# Altium PCB jlc.PcbDoc (part 2 of 2) (continued)
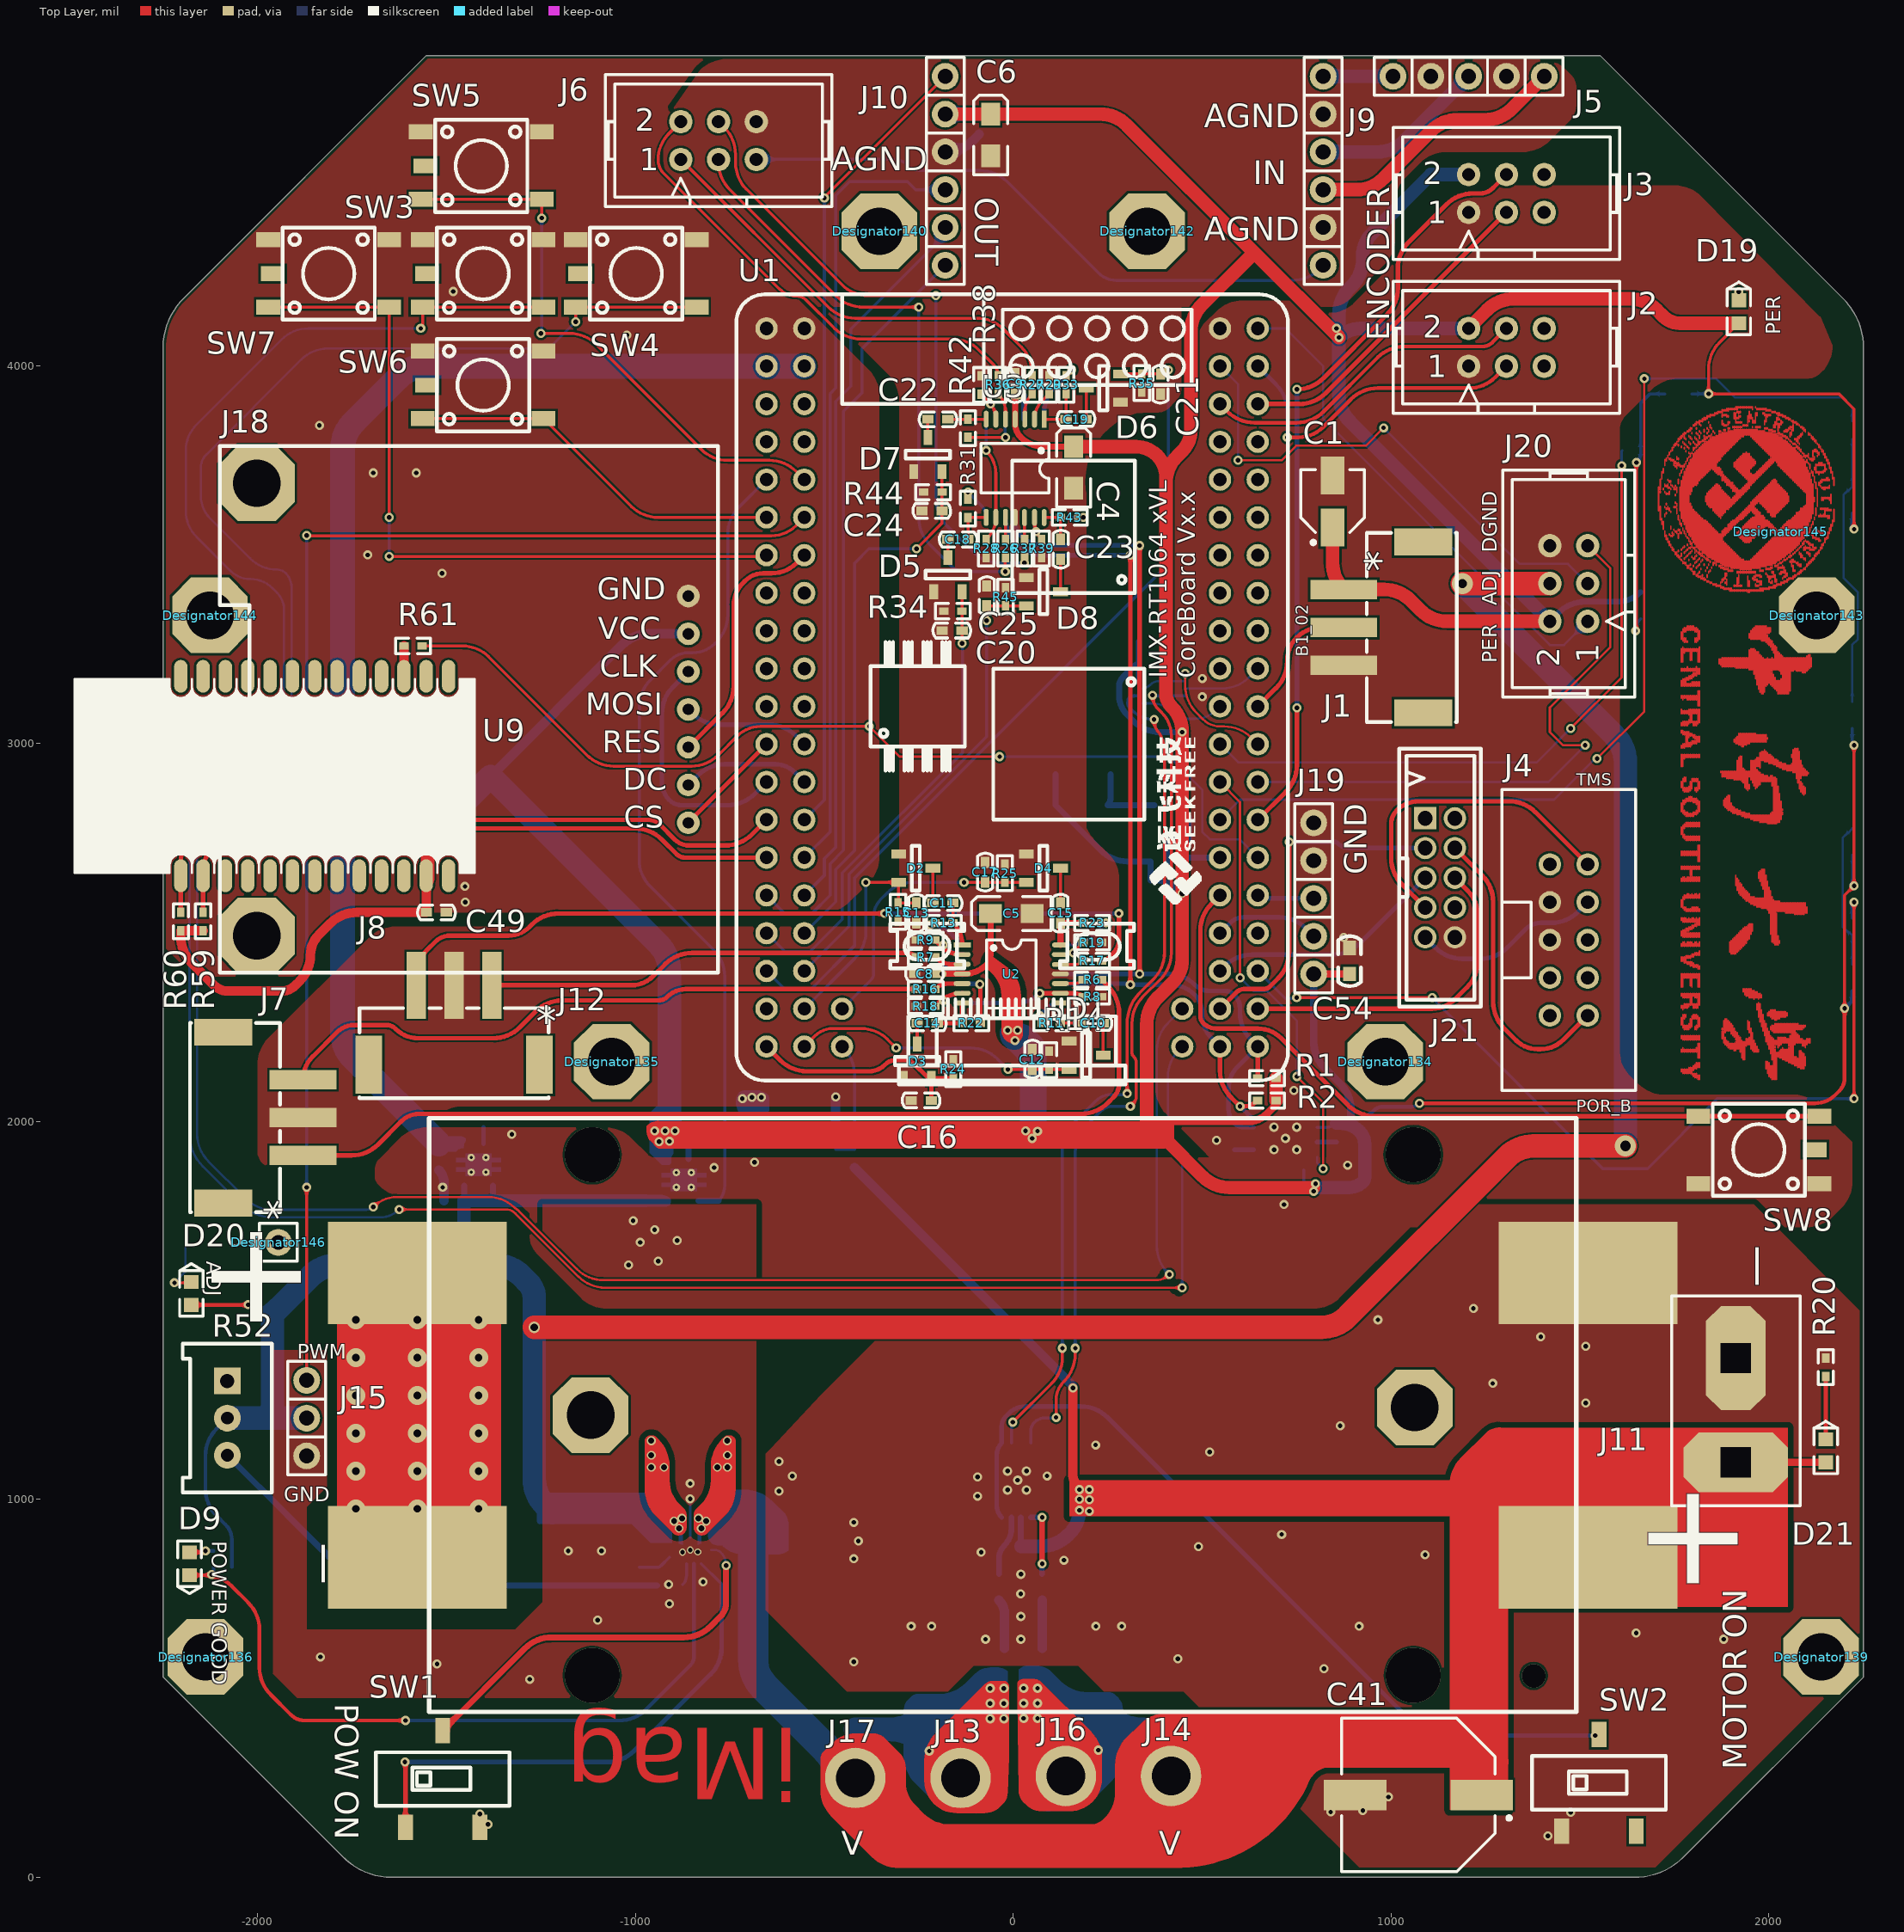
[diagram p0: Top Layer view]
## Nets (pads, with @x,y where several pads share a name; then routed paths per layer and width w, separated by ;. In a path a pad name is that pad's centre, name@x,y a point inside that pad or via, vN(x,y) a via of type N, cw(c..) or ccw(c..) an arc to the next point about the centre after c; other vN are vias at no path point) (continued)
R: U7.3 U8.4 | length 2283.2
  Top Layer w8: v2(113.27,1216.69) 113.27,1262.15 cw(c183.58,1262.15) 133.86,1311.87 134.42,1312.43 ccw(c63.71,1383.14) 163.71,1383.14 163.71,1400 v2(164,1400) ; v2(309.81,2040) 318.06,2048.26 ccw(c301.32,2065) 325,2065 325,2157.81 ccw(c307.93,2157.81) 320,2169.88 cw(c342.43,2192.31) 315.54,2175.49 cw(c322.34,2179.7) 314.34,2179.7 314.34,2201.81 314.34,2259.92 cw(c414.34,2259.92) 343.63,2330.63 389.8,2376.8 ccw(c321.73,2444.87) 417.99,2444.87 417.99,3021.18 ccw(c333.42,3021.18) 393.22,3080.99 383.65,3090.56 ; v9(368.32,3127.57) ccw(c420.66,3127.57) 383.63,3090.58
  Bottom Layer w8: U8.4@46.32,1148.99 46.32,1180.45 cw(c79.39,1180.45) 56.01,1203.83 cw(c83.92,1175.92) 83.92,1215.39 v2@112.73,1215.39 ; v2(164,1400) 164,1918.29 cw(c264,1918.29) 193.29,1989 231.07,2026.78 ; 231.09,2026.8 cw(c262.99,1994.85) 262.99,2040 v2@306.66,2040 ; v9@362.38,3131.73 ccw(c377.1,3146.44) 377.1,3125.63 U7.3@455,3125.63
RES: J18.5 U1.14 | length 672.4
  Top Layer w12: J18.5@-860,2990 -769.29,3080.71 ccw(c-840,3151.42) -740,3151.42 -740,3365 cw(c-655.5,3365) -715.25,3424.75 -710,3430 cw(c-661.72,3381.72) -661.72,3450 -640,3450 ccw(c-640,3544.19) -573.4,3477.59 U1.14@-552.99,3497.99
SD_B0_00: U1.15
SD_B0_01: U1.16
SD_B0_02: U1.17
SD_B0_03: U1.18
SD_B0_04: U1.19
SD_B0_05: U1.20
SD_B1_02: J15.1 U1.12 | length 3570.1
  Top Layer w8: J15.1@-1870,1315 v2(-1870,1825.43) ; v2(-1870,3550) ccw(c-1868.31,3551.69) -1868.31,3549.3 -640,3549.3 ccw(c-640,3641.8) -574.59,3576.39 U1.12@-552.99,3597.99
  Bottom Layer w8: v2(-1870,1825.43) v2(-1870,3550) v2@-1870,3551.69
SW2: SW2.2 U8.1 U8.8 | length 2197.7
  Bottom Layer w12: U8.8@-30.68,952.14 cw(c1.47,984.28) -43.99,984.28 -43.99,1116.84 cw(c1.47,1116.84) U8.1@-30.68,1148.99 -30.68,1193.67 cw(c5.29,1193.67) -20.14,1219.1 -11.12,1228.12 cw(c32.09,1184.92) 32.09,1246.02 178.83,1246.02 cw(c178.83,1146.02) 249.54,1216.73 1061.98,404.29 ccw(c1132.69,475) 1132.69,375 v2(1540,375)
SW5: SW5.1 U1.10 | length 1519.4
  Top Layer w8: SW5.1@-1567.99,4439.41 SW5.1@-1247.99,4439.41 v2(-1247.99,4390) ; v2(-1250,4085) -1174.22,4085 cw(c-1174.22,3985) -1103.51,4055.71 -826.09,3778.29 ccw(c-755.38,3849) -755.38,3749 -645.42,3749 cw(c-645.42,3649) -574.71,3719.71 U1.10@-552.99,3697.99
  Bottom Layer w8: v2(-1250,4085) ccw(c-1254.85,4089.85) -1247.99,4089.85 v2(-1247.99,4390)
SW6: SW6.1 U1.11 | length 1014
  Top Layer w8: SW6.1@-1562.99,3859.41 SW6.1@-1242.99,3859.41 -1010.86,3627.28 ccw(c-940.15,3697.99) -940.15,3597.99 U1.11@-652.99,3597.99
SW7: SW7.1 U1.13 | length 1979.9
  Top Layer w8: SW7.1@-1971.77,4154.41 SW7.1@-1651.77,4154.41 v2(-1651.77,3597.99) ; v2(-1651.77,3495) -660.22,3495 ccw(c-660.22,3505.22) U1.13@-652.99,3497.99
  Bottom Layer w8: v2(-1651.77,3495) ccw(c-1656.05,3499.28) -1650,3499.28 -1650,3500 cw(c-1645.72,3504.28) -1651.77,3504.28 v2(-1651.77,3597.99)
TCK: J4.4 J21.9 | length 500.4
  Bottom Layer w12: J21.9@1090,2487 1117.71,2459.29 ccw(c1188.42,2530) 1188.42,2430 1236.08,2430 ccw(c1236.08,2530) 1306.79,2459.29 1356.23,2508.73 cw(c1395.9,2469.06) 1395.9,2525.16 1423.74,2525.16 ccw(c1423.74,2625.16) 1494.45,2554.45 J4.4@1520,2580
TMS: J4.2 J21.7 | length 870.5
  Top Layer w12: J21.7@1090,2565.74 1029.29,2626.45 cw(c1100,2697.16) 1000,2697.16 1000,2786.79 cw(c1051.21,2786.79) 1015,2823 cw(c1072.94,2765.06) 1072.94,2847 1311.58,2847 cw(c1311.58,2747) 1382.29,2817.71 J4.2@1520,2680
Vadj: C28.2 C29.2 C30.2 C31.2 C34.1 C36.2 C43.1 C44.2 D20.A J15.2 J20.4 R48.2 R50.1 R52.2 U4.7 U4.8 U5.5 U5.8 U6.8 | length 8219
  Top Layer w10: D20.A@-2175,1514.37 -2026.52,1514.37 ccw(c-2026.52,1516.52) v2(-2025,1515)
  Top Layer w62: v12(-1267.61,1455) 814.39,1455 ccw(c814.39,1555) 885.1,1484.29 1306.52,1905.71 cw(c1377.23,1835) 1377.23,1935 v11(1620,1935) ; v10(1188.42,3423) J20.4@1420,3423
  Bottom Layer w10: R52.2@-2080,1215 -2108.51,1186.49 ccw(c-2037.8,1115.78) -2137.8,1115.78 -2137.8,1027.59 ccw(c-2037.8,1027.59) -2108.51,956.88 -2084.4,932.78 cw(c-2124.05,893.13) -2067.98,893.13 R50.1@-2067.98,863.68 R48.2@-2067.98,820.99 ; v2(-2025,1515) -2021.02,1515 cw(c-2021.02,1429.64) C43.1@-1960.67,1490
  Bottom Layer w16: C36.2@-1453.39,1790 U5.8@-1453.39,1829.88 ; -1376.61,1790 U5.5@-1376.61,1829.88
  Bottom Layer w35: -1449.45,1620 cw(c-1439.94,1629.51) -1453.39,1629.51 C36.2@-1453.39,1790 -1376.61,1790 C34.1@-972.5,1790
  Bottom Layer w62: R52.2@-2080,1215 -1975,1215 ; J15.2@-1870,1215 -1975,1215 ; C30.2@-1220,965 -1238.32,983.32 cw(c-1167.61,1054.03) -1267.61,1054.03 v12(-1267.61,1455) -1267.61,1533.01 ccw(c-1326.99,1533.01) -1285,1575 -1300.71,1590.71 ccw(c-1371.42,1520) -1371.42,1620 -1449.45,1620 -1788.58,1620 ccw(c-1788.58,1520) -1859.29,1590.71 -1945.71,1504.29 -1946.38,1504.29 C43.1@-1960.67,1490 -1960.67,1249.6 cw(c-2009.6,1249.6) -1975,1215 ; v10(1188.42,3423) 1590.71,3020.71 cw(c1520,2950) 1620,2950 v11(1620,1935)
Vbat: C26.1 C27.1 C41.1 C45.1 C46.2 D21.A J11.1 J12.1 J14.1 J17.1 R3.2 R46.2 U4.12 U4.13 U8.6 | length 2373.8
  Top Layer w20: J11.1@1912.01,1097.99 D21.A@2150,1097.99
  Top Layer w25: v2(157.95,1295) 157.95,1061.96 ccw(c186.41,1061.96) 166.28,1041.83
  Bottom Layer w16: C46.2@20.32,875.63 U8.6@20.32,952.14
  Bottom Layer w25: R3.2@-420,1877.78 v2@154.53,1303.25 ; v2@154.53,1303.25 cw(c146.28,1295) v2(157.95,1295)
  Bottom Layer w36: C46.2@20.32,875.63 73.3,875.63 ccw(c73.3,975.63) 144.01,904.92 149.96,910.87 ccw(c89.51,971.32) v1(175,971.32) C45.1@175,1006.1
  Bottom Layer w80: C27.1@-688.31,895.67 -688.31,574.73 ccw(c-588.31,574.73) -659.02,504.02 J17.1@-417.99,262.99
  other v1: 201.41,968.75 201.41,999.31 175,1000 175,1025.81 201.41,1025.81
Vcore: C33.1 U1.3 U1.4 U5.1 | length 3268.3
  Bottom Layer w66: C33.1@-1520,1940.12 -1745.71,2165.83 cw(c-1675,2236.54) -1775,2236.54 -1775,3778.58 cw(c-1675,3778.58) -1745.71,3849.29 -1626.3,3968.7 cw(c-1555.59,3897.99) -1555.59,3997.99 U1.3@-652.99,3997.99 U1.4@-552.99,3997.99
Vper: Beep1.1 C1.1 C2.1 C3.1 C4.1 C5.1 C6.1 C7.2 C8.2 C9.2 C35.1 C39.2 C40.2 C48.1 C49.2 C51.2 C52.2 C54.2 C55.1 C56.2 C57.2 C58.2 D12.A D13.A D14.A D15.A D16.A D17.A D18.2 D19.A J1.1 J2.2 J3.2 J10.5 J18.2 J19.5 J20.2 R1.1 R2.1 R59.2 R60.2 R65.2 U2.4 U3.4 U6.1 U7.8 U9.12 U10.8 U10.13 U11.11 U11.12 U12.12 | length 17997.3
  Top Layer w8: D19.A@1920,4111.8 1869.29,4061.09 ccw(c1940,3990.38) 1840,3990.38 v2(1840,3925) 2185,3925 2225,3885 v2(2225,3567) ; v2(2200,2299) 2200,2598 v2(2225,2623) v2(2225,2995)
  Top Layer w10: v2(1075,2048) 2122.18,2048 ccw(c2122.18,2123.11) 2175.29,2070 2185.65,2080.36 ccw(c2151.01,2115) 2200,2115 v2(2200,2299)
  Top Layer w16: C8.2@-207.95,2390.23 v1(-189.45,2390.23) U2.4@-135.16,2390.23 -130.39,2390.23 ccw(c-130.39,2474.8) -70.59,2415 ccw(c-96.16,2440.57) -60,2440.57 C5.1@-60,2550 ; C9.2@5,3925 U3.4@5,3857.84 5,3846.21 ccw(c56.21,3846.21) 20,3810 ccw(c80.36,3870.36) 80.36,3785 C4.1@160,3785
  Top Layer w20: 353.22,1992.6 cw(c390.98,1900) 390.98,2000 622.98,2000 ccw(c622.98,2068.29) 671.26,2020 687.39,2036.13 ccw(c668.52,2055) R2.1@695.21,2055 ; J19.5@795,2390 C54.2@890,2390
  Top Layer w25: R59.2@-2144.06,2504.79 R60.2@-2203.11,2504.79 -2203.11,2489.53 ccw(c-2103.11,2489.53) -2173.82,2418.82 -2115,2360 ccw(c-2078.79,2396.21) -2078.79,2345 -1936.21,2345 ccw(c-1936.21,2396.21) -1900.01,2359.99 -1888.28,2371.72 ccw(c-1956.57,2440) -1860,2440 cw(c-1783.98,2440) -1837.73,2493.75 -1807.78,2523.7 cw(c-1737.07,2452.99) -1737.07,2552.99 C49.2@-1553.39,2552.99 U9.12@-1553.39,2635
  Top Layer w35: 405.2,1950.07 500.98,1854.29 ccw(c571.69,1925) 571.69,1825 v1@795,1825
  Top Layer w36: U9.12@-1553.39,2635 ccw(c-1561.56,2643.17) -1550,2643.17 v2@-1550,2740 ; J10.5@-180,4665 C6.1@-60,4665 229.64,4665 cw(c229.64,4565) 300.35,4635.71 641.52,4294.54 ; C4.1@160,3785 324.69,3785 cw(c324.69,3706.78) 380,3762.09 cw(c322.01,3704.1) 404.02,3704.1 404.02,3689.02 ; 353.22,1970.71 353.22,1992.6 353.22,2257.09 cw(c453.22,2257.09) 382.51,2327.8 422.12,2367.42 ccw(c362.05,2427.5) 447.01,2427.5 v13@447.01,2599 ; v13(447.01,2603.31) v2@447.01,3025 ; v2(447.01,3030) ccw(c352.91,3030) 419.45,3096.54 417.99,3097.99 cw(c451.73,3131.73) 404.02,3131.73 404.02,3689.02 ; R2.1@695.21,2055 R1.1@695.21,2114.45 ; C1.1@845,3571 845,3478.11 ccw(c945,3478.11) 874.29,3407.4 981.18,3407.4 cw(c981.18,3307.4) 1051.89,3378.11 1077.71,3352.29 ccw(c1148.42,3423) 1148.42,3323 J20.2@1420,3323 ; v2(861.77,4073.99) 861.77,4074.29 641.52,4294.54 ; J2.2@1205,4097.99 1253.93,4146.92 cw(c1324.64,4076.21) 1324.64,4176.21 1632.37,4176.21 cw(c1632.37,4076.21) 1703.08,4146.92 1720,4130 ccw(c1763.94,4173.94) 1763.94,4111.8 D19.A@1920,4111.8 ; 404.02,3689.02 cw(c504.02,3689.02) 433.31,3759.73 447.01,3773.42 ccw(c391.5,3828.93) 470,3828.93 470,4089.85 cw(c570,4089.85) 499.29,4160.56 627.42,4288.7 cw(c641.52,4274.6) 641.52,4294.54
  Bottom Layer w6: D13.A@2220,2704.57 2220,2632.87 2225,2627.87 v2(2225,2623)
  Bottom Layer w8: C51.2@769.21,1825 U10.13@769.21,1871.13 ; U10.8@803.87,1984.53 829.72,1984.53 ccw(c829.72,2020.28) C52.2@855,1995 ; D15.A@1795.43,3925 v2(1840,3925) ; D16.A@2220,3039.57 2220,3007.07 ccw(c2237.07,3007.07) v2(2225,2995) ; D17.A@2220,3609.57 2220,3576.33 2225,3571.33 v2(2225,3567)
  Bottom Layer w10: 893.63,2004.21 ccw(c893.63,2090.99) 954.99,2029.63 cw(c977.29,2007.32) 977.29,2038.87 1052.95,2038.87 ccw(c1052.95,2070.05) v2(1075,2048) ; v2(2200,2299) 2220,2319 D12.A@2220,2344.57
  Bottom Layer w15: J20.2@1420,3323 1442.71,3345.71 cw(c1513.42,3275) 1513.42,3375 1598.61,3375 ccw(c1598.61,3461.82) D14.A@1660,3400.43
  Bottom Layer w16: v1(-189.45,2390.23) -189.45,2401.38 ccw(c-208.39,2401.38) C57.2@-194.96,2414.73 ; U11.12@-135.16,2414.77 C57.2@-195,2414.77 cw(c-208.39,2401.38) C57.2@-194.96,2414.73 ; U11.11@-134.84,2390 -135.2,2390 cw(c-135.2,2474.58) C57.2@-194.96,2414.73 ; U12.12@29.18,3858.15 C58.2@29.18,3920 ; D18.2@111.6,2917.99 Beep1.1@111.6,2836.74 231.07,2717.28 ccw(c301.78,2787.99) 301.78,2687.99 R65.2@362.81,2687.99 C56.2@362.81,2637.99 370.9,2637.99 cw(c370.9,2537.99) 441.61,2608.7 v13(447.01,2603.31) ; U7.8@332.95,3165 C40.2@332.95,3210 ; C39.2@332.95,3270 C40.2@332.95,3210 ; v2(447.01,3030) 388.2,3030 cw(c388.2,3130) 317.49,3059.29 301.78,3075 cw(c354.35,3127.57) 280,3127.57 280,3150.86 cw(c314.14,3150.86) 290,3175 319.38,3204.38 cw(c332.95,3190.8) C40.2@332.95,3210
  Bottom Layer w20: J19.5@795,2390 795,2211.42 ccw(c895,2211.42) 824.29,2140.71 864.34,2100.66 cw(c793.63,2029.95) 893.63,2029.95 893.63,2004.21 893.63,1989.29
  Bottom Layer w25: C48.1@-1382.99,2912.99 -1035.27,3260.71 cw(c-964.56,3190) -964.56,3290 J18.2@-860,3290
  Bottom Layer w35: C51.2@769.21,1825 888.79,1825 ccw(c888.79,1876.21) 925,1840 ccw(c912.93,1852.07) 930,1852.07 930,1940.36 ccw(c882.17,1940.36) 915.99,1974.18 ccw(c865.72,1923.91) 893.63,1989.29 ccw(c865.72,1923.91) 865.72,1995 C52.2@855,1995
  Bottom Layer w36: J10.5@-180,4665 C7.2@-90,4665 ; J2.2@1205,4097.99 C3.1@1105,4097.99 919.73,4097.99 ccw(c919.73,4016.03) v2(861.77,4073.99) ; J3.2@1205,4505 C2.1@1105,4505 949.75,4349.75 ccw(c1009.5,4290) 925,4290 925,4281.42 cw(c825,4281.42) 895.71,4210.71 891.06,4206.06 ccw(c961.77,4135.35) 861.77,4135.35 v2(861.77,4073.99) ; J20.2@1420,3323 891.06,3851.94 cw(c961.77,3922.65) 861.77,3922.65 v2(861.77,4073.99)
  Bottom Layer w62: v2@-1550,2740 cw(c-1535.55,2740) -1545.77,2750.22 C48.1@-1382.99,2912.99 -939.41,2469.41 cw(c-1010.12,2398.7) -910.12,2398.7 C35.1@-910.12,2005
  other v1: 795,1815 800,1835 -937.47,1946.81 -910,1947.22 50,1955 64.1,1974.18 -949.13,1975 -921.1,1975 -895,1975 32.5,1975 4.36,2214.16 -15,2241.26 11.23,2241.26 -1550,2720 18,3922.84 855,4097.99
  other v2: -1548.39,2746.72
pads on no net: Beep1.3 Designator134.0 Designator135.0 Designator136.0 Designator139.0 Designator140.0 Designator142.0 Designator143.0 Designator144.0 J1.4 J1.5 J2.5 J2.6 J3.5 J3.6 J4.1 J4.6 J4.7 J4.8 J4.9 J7.4 J7.5 J8.4 J8.5 J12.0 J18.0 J21.1 J21.2 J21.8 R52.1 SW2.3 SW3.5 SW4.5 SW5.5 SW6.5 SW7.5 SW8.5 U1.5 U1.6 U1.7 U1.8 U1.21 U1.22 U9.3 U9.4 U9.5 U9.6 U9.7 U9.8 U9.9 U9.10 U9.11 U9.13 U9.22 U9.23 U9.25 U9.26 U9.27 U9.28 U9.29 U9.30 U9.31 U9.32 U9.33 U9.34 U10.2 U10.3 U10.4 U10.5 U10.6 U10.7 U10.11 U10.14 U10.15 U10.16 U10.17 U10.19 U10.21 U10.22
copper on no net:
  other v6: -1114.61,534.02 1058.62,534.02 -1114.61,1911.97 1058.62,1911.97
  other v8: 1377.01,532.99

## Polygon pours and split planes (outlines as drawn)
DGND on Bottom Layer "NONET_L01_P-001" (solid, remove dead copper, pour order 10): -1865.59,3470 -1865.59,3802.99 cw(c-1765.59,3802.99) -1836.3,3873.7 -1514.29,4195.71 cw(c-1443.58,4125) -1443.58,4225 793.58,4225 ccw(c793.58,4325) 864.29,4254.29 1060.71,4450.71 cw(c1131.42,4380) 1131.42,4480 1203.58,4480 cw(c1203.58,4380) 1274.29,4450.71 1590.71,4134.29 cw(c1520,4063.58) 1620,4063.58 1620,2078.94 cw(c1520,2078.94) 1590.71,2008.23 1331.77,1749.29 cw(c1261.06,1820) 1261.06,1720 -808.1,1720 ccw(c-808.1,1696.13) -824.98,1713.01 -863.44,1751.47 cw(c-809.91,1805) -885.61,1805 -1551.18,1805 cw(c-1551.18,1905) -1621.89,1834.29 -1840.71,2053.11 cw(c-1770,2123.82) -1870,2123.82 -1870,2165.83
PGND on Bottom Layer "NONET_L01_P-001" (solid, remove dead copper, pour order 8): -2084.4,1800.6 -861.24,1800.6 -873.75,1552.1 -872.1,1546.85 -797.32,1450.14 -791.85,1447.1 -791.83,1447.1 -646.5,1432.28 -648.92,599.28 -1188.2,60 -1440,60 -2240,860 -2240,1645
BGND on Bottom Layer "NONET_L01_P-001" (solid, remove dead copper, pour order 6): 2020,1540 760,1540 500,1280 -502.66,1280 -655,1127.66 -655,706.77 -440.02,491.79 -173.21,491.79 -105,560 171.42,560 239.64,491.79 449.77,491.79 915,26.55 1698.62,26.55 1698.62,33.62 2025,360
PGND on Bottom Layer "NONET_L01_P-001" (solid, remove dead copper, pour order 0): -1252.86,907.66 -1261.19,856.3 ccw(c-1116.06,856.3) -1218.68,753.68 -1184.29,719.29 ccw(c-1113.58,790) -1113.58,690 -807.91,690 ccw(c-807.91,736.09) -775.32,703.5 -768.82,710 cw(c-752.73,726.09) -775.48,726.09 -775.48,877.99 -695.62,957.86 ccw(c-755.27,1017.51) -670.91,1017.51 -670.91,1175.31 ccw(c-770.91,1175.31) -700.2,1246.02 -709.18,1255 ccw(c-733.32,1230.86) -733.32,1265 -937.81,1265 ccw(c-937.82,1212.42) -975,1249.6 -989.31,1235.29 ccw(c-954.02,1200) -1003.93,1200 -1003.93,989.61 -1031.7,961.83 cw(c-1102.41,1032.53) -1102.42,932.54
DGND on Bottom Layer "NONET_L01_P-001" (solid, remove dead copper, pour order 13): 1616.16,3900 1616.16,3922.89 cw(c1716.16,3922.89) 1645.45,3993.6 1646.46,3994.61 cw(c1699.65,3941.43) 1699.65,4016.64 1889.54,4016.64 ccw(c1889.54,4116.64) 1960.25,4045.93 1980.71,4066.4 ccw(c1910,4137.11) 2010,4137.11 2010,4185 ccw(c1949.64,4185) 1992.32,4227.68 1776.9,4443.1 ccw(c1706.19,4372.39) 1706.19,4472.39 1241.85,4472.39
DGND on Top Layer "NONET_L01_P-001" (solid, remove dead copper, pour order 14): -1624.33,1954.19 cw(c-1553.62,1883.48) -1553.62,1983.48 -1080.33,1983.48 cw(c-1080.33,1883.48) -1009.61,1954.19 -967.39,1911.97 ccw(c-949.8,1929.55) -949.8,1904.68 831.92,1904.68 cw(c831.92,1804.68) 902.63,1875.4 1054.18,1723.84 864.63,1534.29 cw(c793.92,1605) 793.92,1505 -1074.94,1505 cw(c-1074.94,1605) -1145.65,1534.29 -1256.36,1645 cw(c-1199.28,1702.08) -1280,1702.08 -1280,1756.29 -1294.42,1770.71 ccw(c-1365.13,1700) -1365.13,1800 -1605.74,1800 cw(c-1605.74,1900) -1676.45,1829.29 -1682.16,1835 cw(c-1665.85,1851.31) -1688.91,1851.31 -1688.91,1872.93 cw(c-1648.65,1872.93) -1677.12,1901.4
DGND on Top Layer "NONET_L01_P-001" (solid, remove dead copper, pour order 12): 2133.38,4129.09 1821.28,4446.52 ccw(c1750.57,4375.82) 1750.57,4475.81 1214.09,4475.81 ccw(c1214.09,4375.82) 1143.38,4446.52 897.31,4200.46 cw(c826.6,4271.17) 826.6,4171.17 606.93,4171.17 ccw(c606.93,4071.17) 536.22,4141.88 510,4115.66 ccw(c572.07,4053.59) 484.29,4053.59 484.29,3960.05 cw(c384.29,3960.05) 455,3889.34 262.62,3696.96 ccw(c333.33,3626.25) 233.33,3626.25 233.33,2832.53 ccw(c333.33,2832.53) 262.62,2761.82 346.89,2677.54 cw(c276.19,2606.84) 376.18,2606.83 376.18,2090.24 ccw(c476.18,2090.24) 405.47,2019.53 675.71,1749.29 ccw(c746.42,1820) 746.42,1720 2098.87,1720 ccw(c2098.87,1820) 2169.58,1749.29 2190.71,1770.42 ccw(c2120,1841.13) 2220,1841.13 2220,1945 2125.84,2039.16 cw(c2134.68,2048) 2122.18,2048 ccw(c2069.07,1994.89) 2069.07,2070 1724.42,2070 cw(c1724.42,2170) 1653.71,2099.29 1630,2123 cw(c1690.36,2183.36) 1605,2183.36 1605,3830.79 cw(c1656.21,3830.79) 1620,3867 1688.71,3935.71 cw(c1759.42,3865) 1759.42,3965 2099.79,3965 ccw(c2099.79,4016.21) 2136,3980 2138.71,3982.71 ccw(c2068,4053.42) 2168,4053.42 2136,4129.09
DGND on Top Layer "NONET_L01_P-001" (solid, remove dead copper, pour order 11): -778.87,4885 -1813.58,4885 ccw(c-1813.58,4785) -1884.29,4855.71 -2390,4350 -2390,2647.13 ccw(c-2290,2647.13) -2360.71,2576.42 -2196.57,2412.28 ccw(c-2125.86,2482.99) -2125.86,2382.99 -1880.95,2382.99 ccw(c-1880.95,2482.99) -1810.24,2412.28 -1697.16,2525.36 cw(c-1630.45,2458.66) -1630.45,2552.99 -502.49,2552.99 ccw(c-502.49,2652.99) -431.78,2582.28 -383.8,2630.25 ccw(c-454.51,2700.96) -354.51,2700.97 -354.51,3919.15 ccw(c-454.51,3919.15) -383.8,3989.86 -771.11,4377.16
PGND on Top Layer "NONET_L01_P-001" (solid, remove dead copper, pour order 9): -1816.3,1395 -1816.3,1348.7 -1816.3,1032.88 -1870,979.18 -1870,655 -1318.6,655 -1245,728.6 -1245,1780 -680,1780 -680,475 -1895,475 -1960,540 -1959.21,540.79 -1959.21,1395
BGND on Top Layer "NONET_L01_P-001" (solid, remove dead copper, pour order 5): -640,1135.95 -655,1120.95 -655,706.77 -440.02,491.79 -173.21,491.79 -105,560 171.42,560 239.64,491.79 449.77,491.79 915,26.55 1698.62,26.55 2240,567.93 2240,1500 1960,1780 -5,1780 -510,1275
AGND on Top Layer "NONET_L01_P-001" (solid, remove dead copper, pour order 4): -2000,2055 -2000,2149.79 cw(c-1900,2149.79) -1970.71,2220.5 -1705.5,2485.71 cw(c-1634.79,2415) -1634.79,2515 -286.36,2515 cw(c-317.03,2484.33) -273.65,2484.33 -273.65,2040 -1458.58,2040 ccw(c-1458.58,1940) -1529.29,2010.71 -1645.4,1894.6 cw(c-1716.11,1965.31) -1716.11,1865.32 -1920.94,1865.32 cw(c-1920.94,1965.31) -1991.65,1894.6 -2000,1911.97
AGND on Top Layer "NONET_L01_P-001" (solid, remove dead copper, pour order 3): -509.51,4155 cw(c-509.51,4153.7) -508.58,4154.61 -330.63,3976.67 cw(c-401.32,3905.97) -301.34,3905.95 -301.34,2077.45 ccw(c-234.24,2077.45) -281.68,2030 ccw(c-257.54,2054.14) -257.54,2020 179.88,2020 ccw(c179.88,2120) 250.59,2049.29 265.01,2063.71 ccw(c228.82,2099.9) 280,2099.9 280,2640.71 ccw(c185.7,2640.72) 252.38,2707.4 214.29,2745.49 cw(c285,2816.2) 193,2777.01 193,3661.23 cw(c377.64,3693.41) 321.81,3872.33 cw(c344.73,3775.22) 344.77,3875 380,3875 ccw(c380,3920.33) 412.05,3888.28 430,3906.22 ccw(c393.8,3942.43) 445,3942.44 445,4157.78
AGND on Top Layer "NONET_L01_P-001" (solid, remove dead copper, pour order 1): -925.88,4645 -829.29,4780.71 cw(c-758.58,4710) -758.58,4810 1393.58,4810 cw(c1393.58,4710.01) 1464.29,4780.71 1475,4770 cw(c1438.8,4733.79) 1490,4733.79 1490,4695 cw(c1417.57,4695) 1468.79,4643.79 1419.29,4594.29 cw(c1348.58,4664.99) 1348.58,4565 1146.42,4565 ccw(c1146.42,4465.01) 1075.71,4535.71 1039.29,4499.29 ccw(c1109.99,4428.58) 1010,4428.58 1010,4336.42 cw(c910.01,4336.42) 980.71,4265.71 891.21,4176.21 cw(c840,4227.42) 840,4155 -571.42,4155 -820.71,4404.29 ccw(c-880.66,4379.47) -855.83,4439.41 -896.59,4480.17 cw(c-825.88,4550.88) -925.88,4550.88
no net on Top Layer "NONET_L01_P-001" (solid, remove dead copper, pour order 7): -655,1120.95

## Other copper
Top Layer:
  rectangle net Vbat: 148.77,955 1160,1050.59
  rectangle net Vbat: 1155,178.81 1310,985
  rectangle net Vbat: 1285,715 2050,1190
  rectangle net NetJ12_3: -1789.72,810 -1355,1695
  region net Vper: 398.04,1927.84 ccw(c398.04,1939.43) 406.23,1931.23 420,1945 ccw(c407.93,1957.07) 425,1957.07 425,1995.1 378.72,1995.1 ccw(c378.72,1960.61) 354.33,1985
  region net Vper: -20,2215 ccw(c4.14,2239.14) 4.14,2205 8.76,2205 17.72,2213.95 ccw(c0.14,2231.53) 25,2231.53 25,2265.43 ccw(c7.93,2265.43) 20,2277.5 20,2332.4 ccw(c-80,2332.4) -9.29,2403.11 -60,2440.57 ccw(c-41.25,2416.87) -71.45,2415.86 ccw(c-61.3,2410.45) -72.39,2407.38 -53.72,2388.72 cw(c-108.49,2333.95) -31.04,2333.95 -31.04,2240.27 ccw(c2.7,2240.27) -21.16,2216.42
  region net Vper: -970,1987.82 -970,1972.6 ccw(c-934.12,1972.59) -959.49,1947.22 -944.3,1932.03 ccw(c-934.19,1942.14) -934.19,1927.84 398.04,1927.84 355.15,1994.47 ccw(c345.01,1987.94) 345,2000 -933.8,2000 ccw(c-940.45,1966.61) -947.1,2000 ccw(c-943.85,1966.27)
  region net NetL1_1: -735,1026.42 cw(c-835,1026.42) -764.29,955.71 -810,910 cw(c-822.07,922.07) -822.07,905 -826.51,905 cw(c-826.51,922.07) -838.58,910 cw(c-823.08,925.5) -845,925.5 -845,959.5 cw(c-823.08,959.5) -838.58,975 -826.17,987.41 ccw(c-889.35,1050.59) -800,1050.59 -800,1088.58 cw(c-700,1088.58) -770.71,1159.29 -765,1165 cw(c-755.21,1155.21) -755.21,1169.05 -749.79,1169.05 cw(c-749.79,1155.21) -740,1165 -738.54,1163.54 cw(c-747.07,1155) -735,1155
  region net NetL1_2: -975,1026.42 ccw(c-875,1026.42) -945.71,955.71 -900,910 ccw(c-887.93,922.07) -887.93,905 -883.49,905 ccw(c-883.49,922.07) -871.42,910 ccw(c-886.92,925.5) -865,925.5 -865,959.5 ccw(c-886.92,959.5) -871.42,975 -883.83,987.41 cw(c-820.65,1050.59) -910,1050.59 -910,1088.58 ccw(c-1010,1088.58) -939.29,1159.29 -945,1165 ccw(c-954.79,1155.21) -954.79,1169.05 -960.21,1169.05 ccw(c-960.21,1155.21) -970,1165 -971.46,1163.54 ccw(c-962.93,1155) -975,1155
  region net NetC47_1: 14.61,230 ccw(c59.29,230) 27.7,198.4 34.61,191.49 ccw(c74.42,231.3) 74.42,175 149.78,175 ccw(c149.78,259.61) 209.61,199.78 ccw(c149.25,260.14) 234.61,260.14 234.61,314.78 ccw(c134.61,314.78) 205.32,385.49 73.1,517.71 ccw(c57.08,501.68) 57.07,524.34 25.36,524.34 ccw(c25.36,509.14) 10.82,513.58 10.82,469.99
  region net Vbat: 1305,435 406.82,435 ccw(c406.82,335) 336.11,405.71 299.29,368.89 ccw(c370,298.18) 270,298.18 270,226.42 cw(c170,226.42) 240.71,155.71 240,155 cw(c203.79,191.21) 203.79,140 -167.2,140 cw(c-167.2,240) -237.91,169.29 -260,191.38 cw(c-199.64,251.74) -285,251.74 -285,290 ccw(c-341.04,290) -301.42,329.63 -340,368.22 ccw(c-369.62,338.6) -369.62,380.49 -417.99,380.49 ccw(c-417.99,294.87) -478.54,355.41 -503.46,330.48 ccw(c-487.68,314.7) -510,314.7 -510,231.42 ccw(c-410,231.42) -480.71,160.71 -374.29,54.29 ccw(c-303.58,125) -303.58,25 425,25 ccw(c425,26.49) 426.05,25.44 ccw(c433.83,405.46) 785,260 cw(c841.31,226.48) 825.2,290 1285.86,290 ccw(c1285.86,324.14) 1310,300
  region net Vbat: 1155,985 1155,1038.58 cw(c1255,1038.58) 1184.29,1109.29 1250.86,1175.86 cw(c1285,1141.72) 1290,1189.74 1290,985
  region net NetC42_1: -15,225 cw(c-59.68,225) -28.09,193.4 -35,186.49 cw(c-74.81,226.3) -74.81,170 -150.17,170 cw(c-150.17,254.61) -210,194.78 cw(c-149.64,255.14) -235,255.14 -235,309.78 cw(c-135,309.78) -205.71,380.49 -73.49,512.71 cw(c-57.47,496.68) -57.46,519.34 -25.76,519.34 cw(c-25.76,504.14) -11.21,508.58 -11.21,317.85
  region net Vbat: 1310,460
  text "iMag" at -565,395 h189 r180
Bottom Layer:
  rectangle net NetJ12_3: -1790,925 -1355,1525
  region net AGND: -716.74,2010.81 cw(c-675.02,2052.53) -734.02,2052.53 -734.02,2053.18 cw(c-700.28,2053.18) -724.14,2077.03 cw(c-712.22,2065.12) -712.22,2081.97 -676.89,2081.97 cw(c-676.89,2043.46) -649.66,2070.69 cw(c-657.48,2062.87) -646.42,2062.87 -646.42,2029.28 cw(c-649.42,2029.28) -647.3,2027.16 -659.34,2015.12 cw(c-669.74,2025.52) -669.74,2010.81
  region net Vper: 21.72,1961.49 31.66,1945.16 ccw(c42.59,1956.09) 42.59,1940.63 60.32,1940.63 ccw(c60.32,1953.59) 69.49,1944.42 76.51,1951.45 ccw(c49.17,1978.79) 87.83,1978.79 87.83,2185 ccw(c34.32,2185) 72.16,2222.84 50,2245 ccw(c13.79,2208.79) 13.79,2260 -14.17,2260 ccw(c-14.17,2245.93) -24.12,2255.88 -30,2250 ccw(c-17.93,2237.93) -35,2237.93 -35,2230 ccw(c6.4,2230) -22.87,2200.72 6.54,2171.31 cw(c-21.02,2143.75) 17.96,2143.75 17.96,1979.89 ccw(c64.73,1979.89) 31.66,1946.81
  region net Vbat: -787.33,981.4 -787.33,1010.65 cw(c-781.17,1010.65) -785.52,1015 -778.59,1021.93 cw(c-770.9,1014.24) -770.9,1025.12 -709.18,1025.12 cw(c-709.18,925.12) -638.47,995.83 -603.63,960.99
  region net Vcore: -1455,1930 ccw(c-1455.01,1906.71) -1471.48,1923.17 -1474.06,1920 -1527.93,1920 cw(c-1527.93,1937.07) -1536.87,1922.53 cw(c-1526.91,1924.01) -1535,1930 -1535,1960 -1461.52,1960 cw(c-1461.52,1942.94) -1449.45,1955 -1449.45,1949.62 cw(c-1462.88,1949.62) -1453.39,1940.12
  region net Vadj: -970,1805 -928.07,1805 cw(c-928.07,1779.01) -906.75,1793.88 -906.75,1786.5 cw(c-918.25,1786.5) -918.25,1775 -980,1775
  region net NetC47_1: 289.61,445 ccw(c246.17,445) 276.89,475.71 269.61,482.99 ccw(c252.69,466.08) 252.69,490 196.03,490 cw(c196.03,590) 125.32,519.29 101.22,543.39 ccw(c61.12,503.29) 61.12,560 38.75,560 ccw(c38.75,525.86) 14.61,550 14.61,272.99 ccw(c94.5,272.99) 19.75,244.79 ccw(c96.11,250.87) 106.68,175 144.61,175 ccw(c144.61,259.5) 204.36,199.75 260.32,255.71 ccw(c189.61,326.42) 289.61,326.42
  region net NetC42_1: -290,440 cw(c-246.56,440) -277.28,470.71 -270,477.99 cw(c-253.08,461.08) -253.08,485 -196.42,485 ccw(c-196.42,585) -125.71,514.29 -101.61,538.39 cw(c-61.51,498.29) -61.51,555 -39.14,555 cw(c-39.14,520.86) -15,545 -15,267.99 cw(c-94.89,267.99) -20.14,239.79 cw(c-96.51,245.87) -107.07,170 -145,170 cw(c-145,254.5) -204.75,194.75 -260.71,250.71 cw(c-190,321.42) -290,321.42
  region net Vbat: -723.81,996.19 cw(c-725.25,997.62) -725.25,995.59 -770,995.59 ccw(c-770,977.33) -782.91,990.25 -784.19,988.96 ccw(c-776.63,981.4) -787.33,981.4 -787.33,939.47 cw(c-807.79,939.47) -793.32,925
  region net Vbat: -806.1,913.9 -723.81,996.19 -676.24,996.19 cw(c-676.24,902.52) -610,968.75 cw(c-646.2,932.54) -595,932.54 -595,865 cw(c-619.14,889.14) -619.14,855 -717.83,855 cw(c-717.84,925.43) -767.64,875.63 -770,877.99 -780.97,877.99 cw(c-780.97,904.74)
  region net Vadj: -935,950 -935,999.31 -953.19,1017.51 -1260,1017.51 -1260,942.5 ccw(c-1251.83,942.5) -1257.61,936.72 -1255,934.11 cw(c-1252.86,931.98) -1252.86,935 -1010,935
  region net Vper: -905,1905 -905,1890.11 -910.11,1885 -930.97,1885 -962.72,1916.75 -962.72,2021.31 -944.03,2040 -893.11,2040 -878.11,2025 -878.11,1962.26 -899.75,1940.63 -899.75,1914.53
  region net NetL1_2: -884.53,882.51 -884.53,912.39 -907.12,934.76 -907.12,950.45 -892.38,965.18 -868.88,965.18 -864.84,961.14 -864.84,936.03 -875,925.87 -875,880
  region net NetL1_1: -835,880 -825.47,882.51 -825.47,912.39 -802.88,934.76 -802.88,951.23 -816.84,965.18 -841.12,965.18 -845.16,961.14 -845.16,936.03 -835,925.87
  region: -835,880
  region net Vadj: -903.23,885 -903.23,918.23 -935,950 -1010,950 -1010,935 -960,885

## Silkscreen, mask and mechanical layers (free items; w line width, h text height)
Top Overlay:
  text "AGND" at 505,4630 h62
  text "AGND" at -480,4516 h62
  text "IN" at 635,4480 h62
  text "OUT" at -101.6,4445 h62 r270
  text "AGND" at 505,4330 h62
  text "PER" at 2030,4081.68 h39 r90
  text "ENCODER" at 995,4065 h60 r90
  text "DGND" at 1280,3505 h39 r90
  text "ADJ" at 1280,3365 h39 r90
  text "B1_02" at 780,3230 h32 r90
  text "PER" at 1280,3213 h39 r90
  text "TMS" at 1489.72,2888.57 h32
  text "GND" at 935.31,2652.49 h60 r90
  text "POR_B" at 1489.72,2025 h32
  text "ADJ" at -2135,1630 h39 r270
  text "PWM" at -1895,1372.48 h39
  text "GND" at -1930,995 h39
  text "POWER GOOD" at -2119.97,890.12 h39 r270
  text "POW ON" at -1795,460 h62 r270
  text "MOTOR ON" at 1940,285 h62 r90
  text "V" at -455,60 h62
  text "V" at 385,60 h62
Top Solder:
  text "iMag" at -565,395 h189 r180
Bottom Solder:
  rectangle: -1550,950 -1445,1495
  rectangle: -1705,950 -1605,1495
Mechanical 1:
  lines w7.87: -2194.02,4178.97 -1552.99,4820 1552.99,4820 2196.83,4176.16 ; -2193.99,4178.94 ccw(c-2068.47,4047.8) -2250,4047.8 -2250,3475 -2250,530 -1775.98,55.98 ; -1775.95,56.01 ccw(c-1644.81,181.53) -1644.81,0 0,0 1640.83,0 ; 1640.83,0.04 ccw(c1644.81,181.53) 1773.17,53.17 2250,530 2250,4043.82 ; 2249.96,4043.82 ccw(c2068.47,4047.8) 2196.83,4176.16 ; 2196.83,4176.16 2196.83,4176.16
Mechanical 15:
  lines w6: 0,0 0,2157.99 0,3680.98

## Text inside footprints (layer, text, board x,y; h text height)
Beep1: Bottom Overlay "+" at -4.5,2877.84 h80 r180
J1: Top Overlay "*" at 1010.33,3455 h80 r90
J2: Top Overlay "2" at 1084,4072.99 h60; Top Overlay "1" at 1095,3968.99 h60
J3: Top Overlay "2" at 1084,4480 h60; Top Overlay "1" at 1095,4376 h60
J6: Top Overlay "2" at -1001,4620 h60; Top Overlay "1" at -990,4516 h60
J7: Top Overlay "*" at -2015.33,1792.68 h80 r270
J8: Top Overlay "*" at -1262.68,2224.67 h80
J12: Top Overlay "+" at 2007.01,737.99 h472.44 r90; Top Overlay "+" at -1795,1430 h472.44 r90; Top Overlay "-" at -2007.99,897.99 h472.44 r270; Top Overlay "-" at 1787.01,1685 h472.44 r270
J18: Top Overlay "CS" at -1030.34,2757.06 h100; Top Overlay "DC" at -1032.75,2857.06 h100; Top Overlay "RES" at -1087.69,2957.06 h100; Top Overlay "MOSI" at -1131.26,3057.06 h100; Top Overlay "CLK" at -1094.17,3157.06 h100; Top Overlay "VCC" at -1098.98,3257.06 h100; Top Overlay "GND" at -1101.26,3361.85 h100
J20: Top Overlay "1" at 1549,3213 h60 r90; Top Overlay "2" at 1445,3202 h60 r90
U1: Top Overlay "IMX-RT1064 xVL" at 422.01,3172.99 h80 r90; Top Overlay "CoreBoard Vx.x" at 497.01,3172.99 h80 r90